# Altium PCB press.PcbDoc (part 1 of 2)
Units mm, origin at the board's own origin, x right, y up, seen from the top; angles counter-clockwise.
Board outline 85.85 x 55.75 mm, 2 copper layers (Top Layer, Bottom Layer); 179 components, 131 nets, 581 pads, 286 vias.
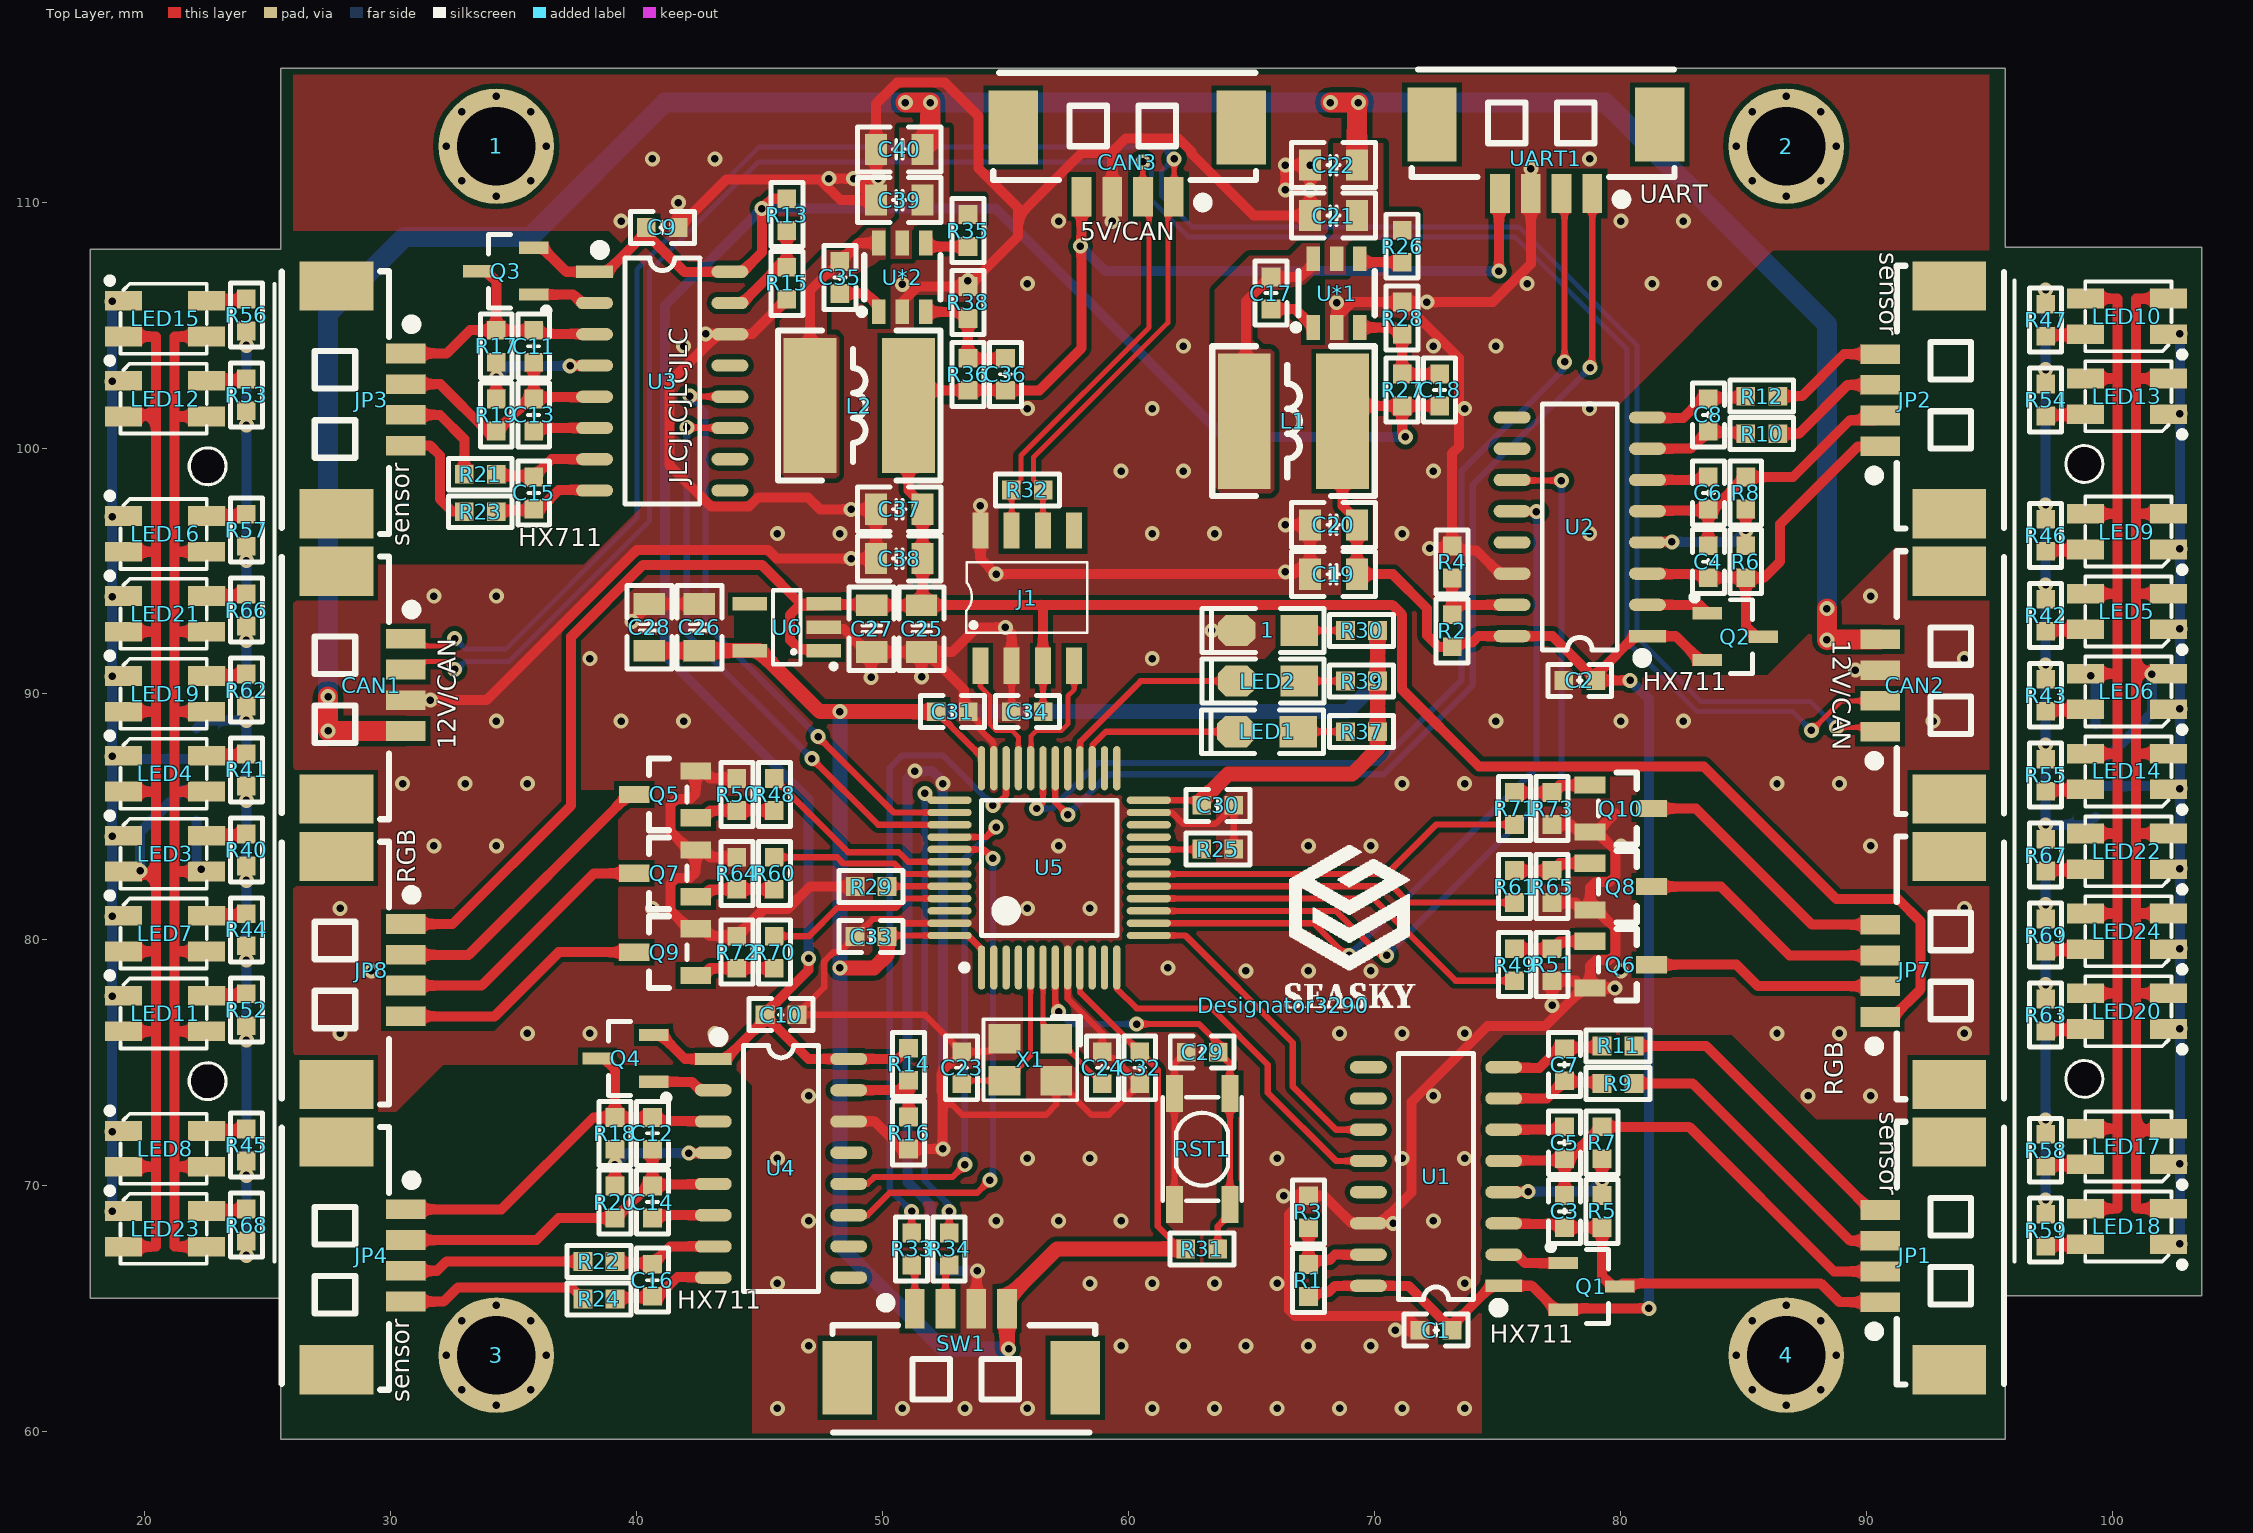
[diagram p0: Top Layer view]
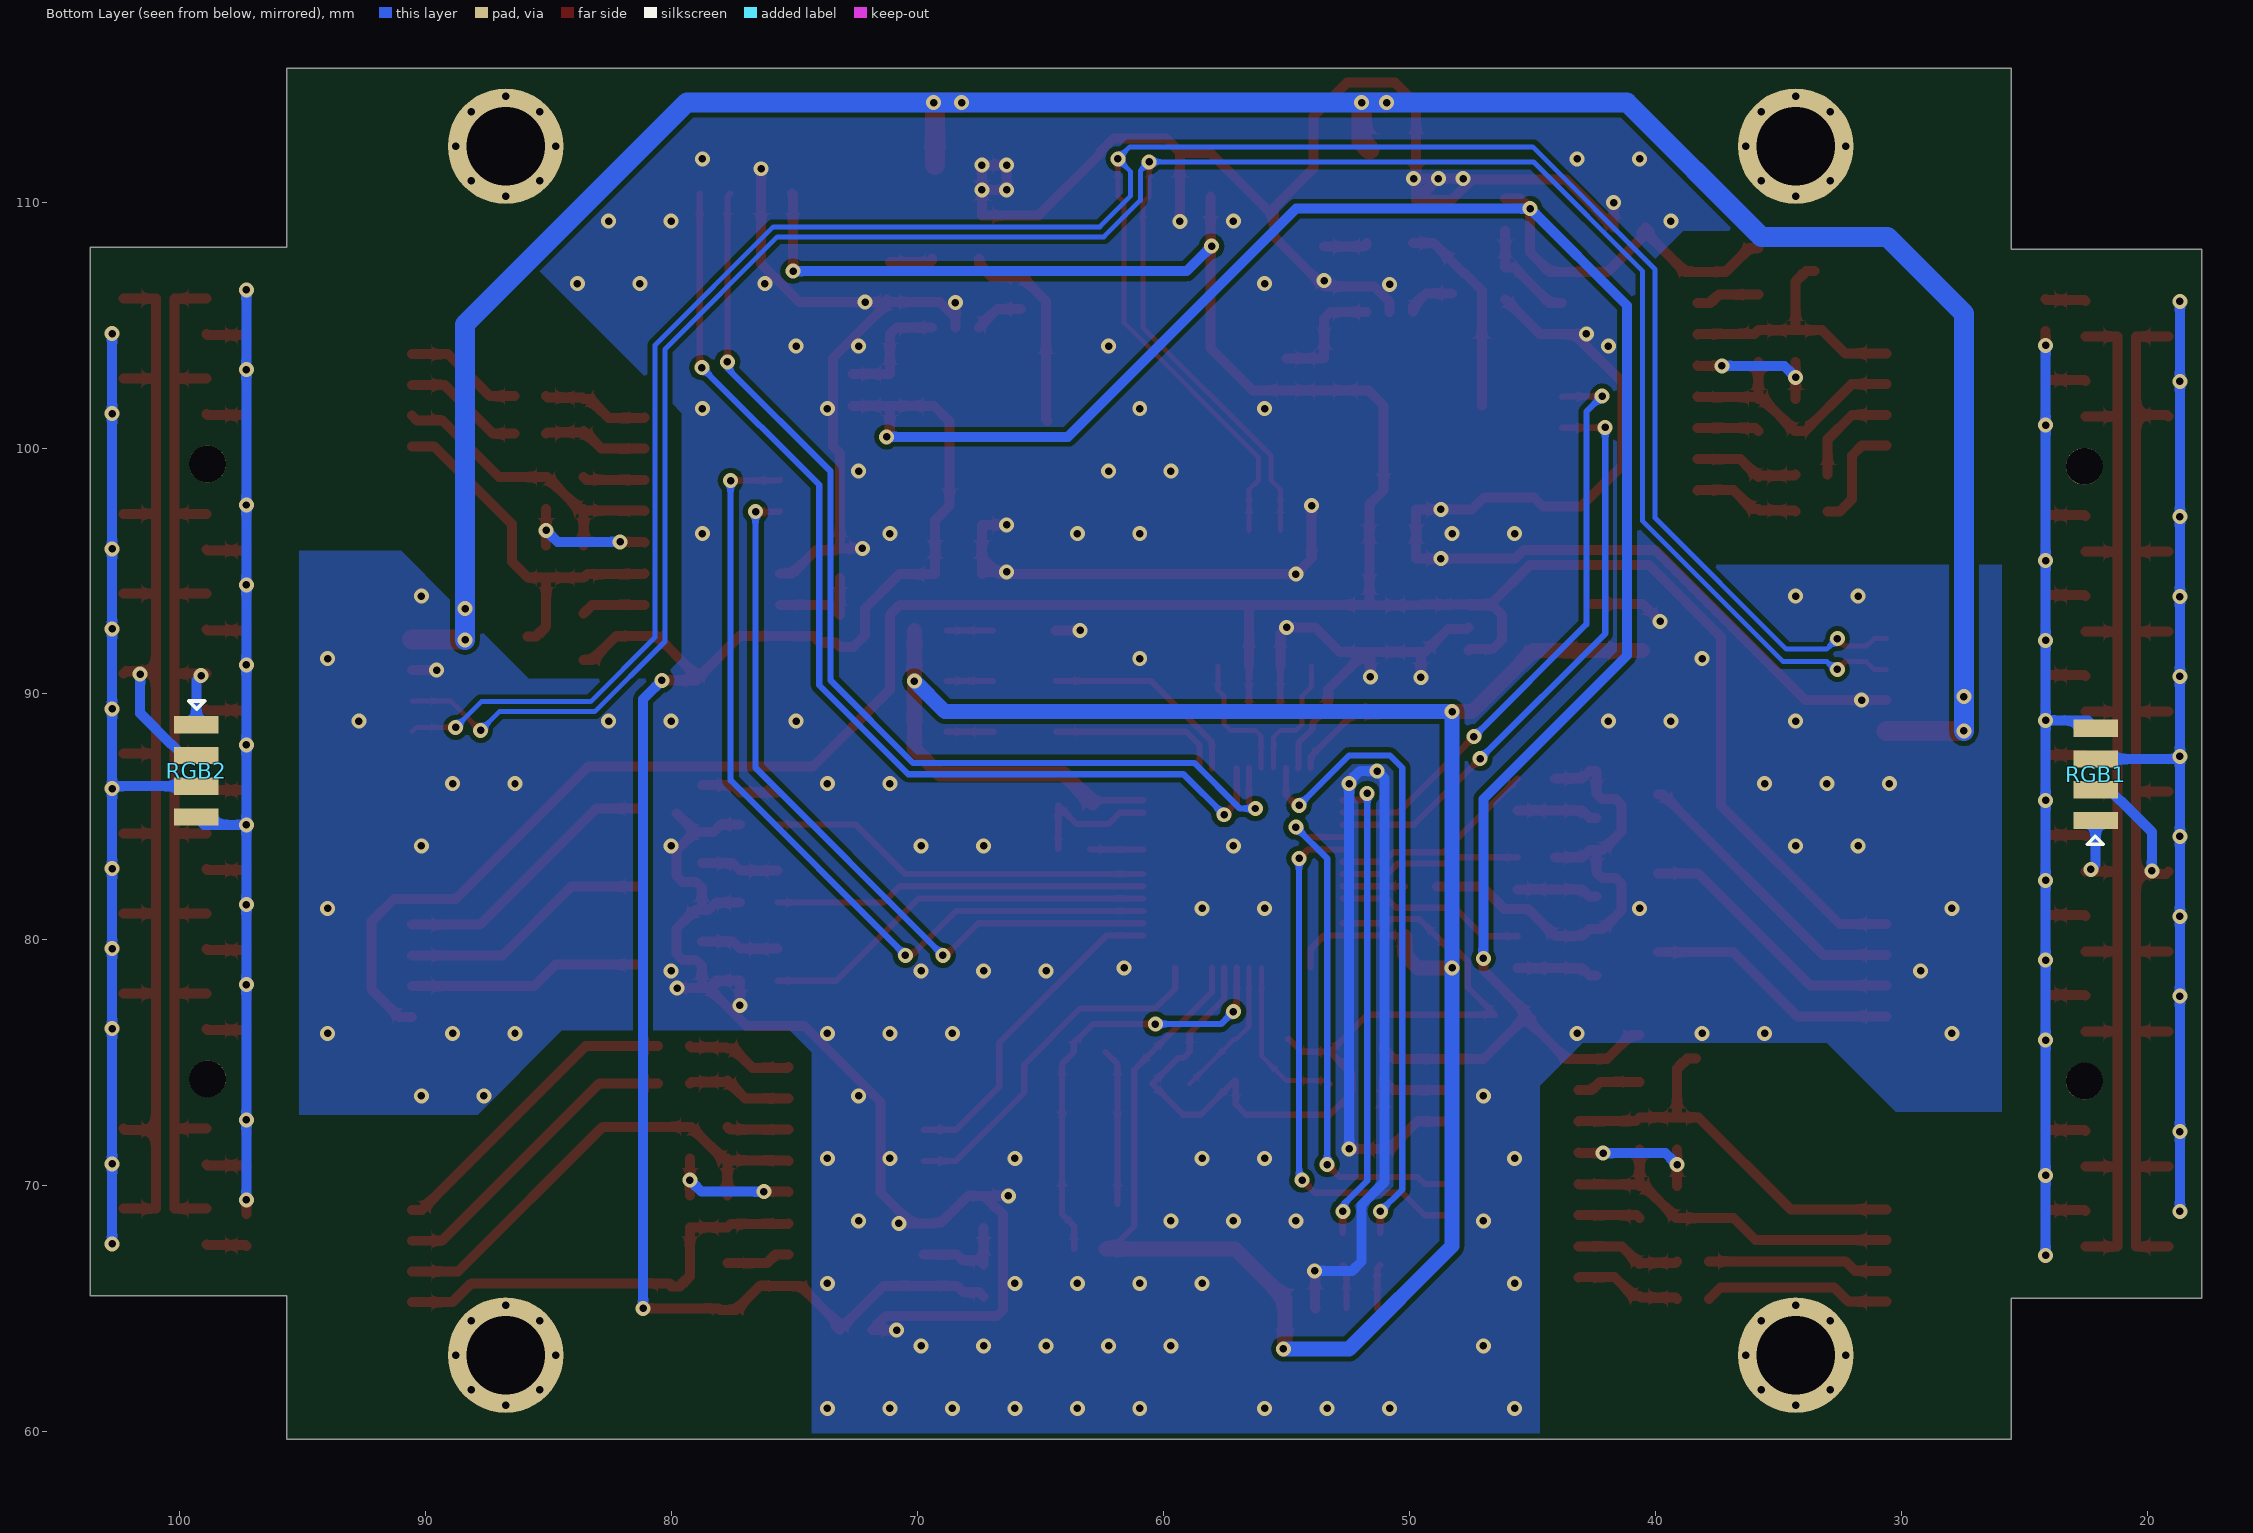
[diagram p1: Bottom Layer view, seen from below]
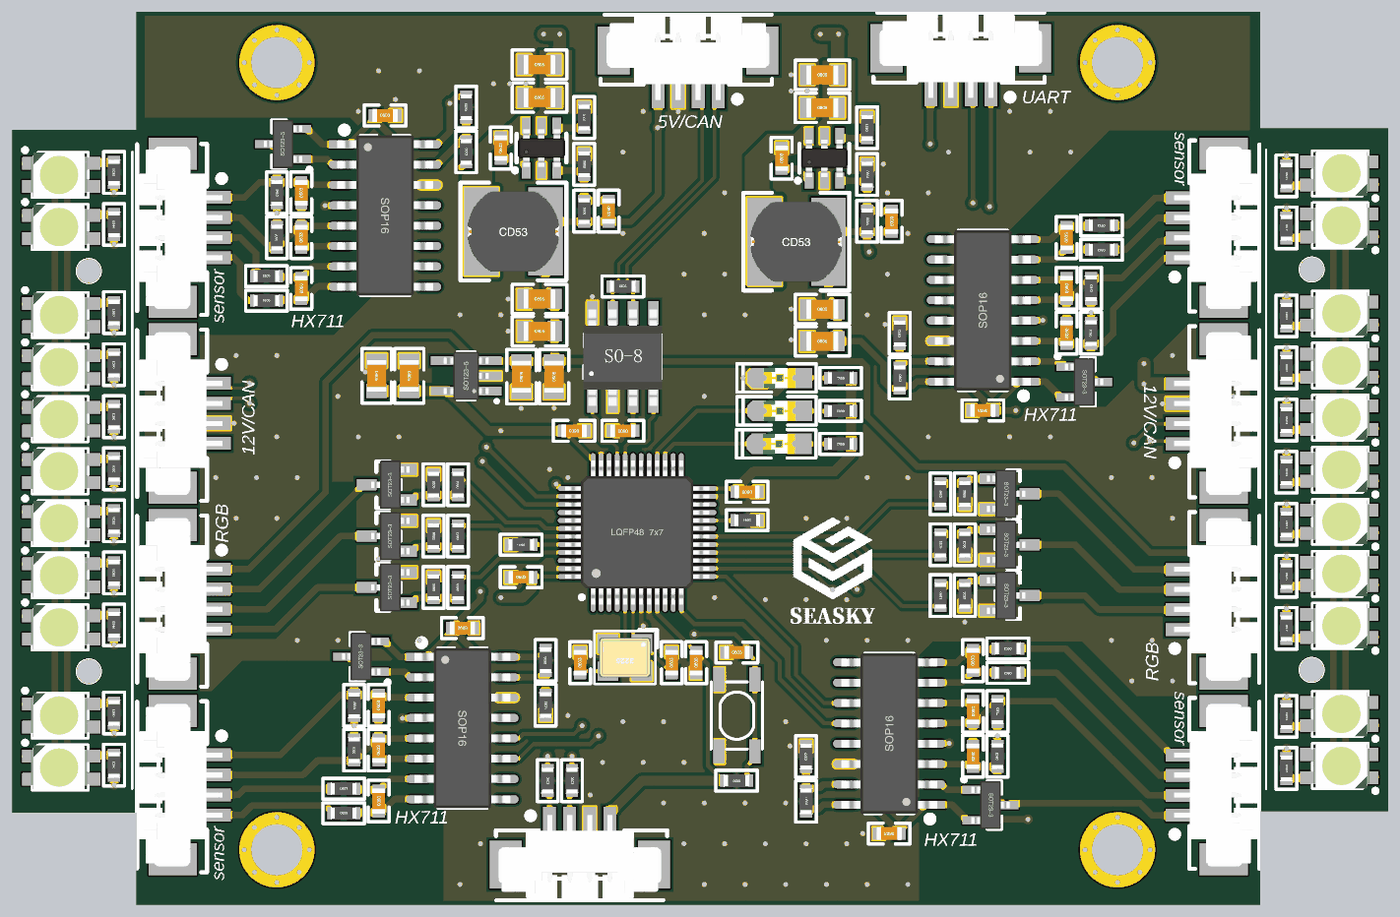
[diagram p3: 3D render of the assembled board from above, using the file's embedded part models]

## Layer stack, top to bottom
Top Solder: solder mask 0.0102, Solder Resist, Dk 3.5
Top Layer: signal copper 0.0356
Dielectric 1: dielectric 0.32, FR-4, Dk 4.8
Bottom Layer: signal copper 0.0356
Bottom Solder: solder mask 0.0102, Solder Resist, Dk 3.5

## Board outline
17.78,65.438 25.527,65.438 25.527,59.69 95.631,59.69 95.631,65.532 96.266,65.532 97.028,65.532 102.997,65.532 103.632,65.532 103.632,108.171 95.631,108.171 95.631,115.443 25.527,115.443 25.527,108.077 17.78,108.077

## Design rules (kind name [scope] priority, off if disabled: settings)
BoardOutlineClearance [All] p1: gap=0.254 ignorepadtopadclearanceinfootprint=FALSE except(0: Arc-SplitContinuation Track-SplitContinuation SMDPad-SplitContinuation THPad-SplitContinuation Via-SplitContinuation Fill-SplitContinuation Poly-SplitContinuation Region-SplitContinuation Text-SplitContinuation)
Clearance [All] p1: gap=0.203 ignorepadtopadclearanceinfootprint=TRUE except(0: Arc-Hole Track-Hole SMDPad-Hole THPad-Hole Via-Hole Fill-Hole Poly-Hole Region-Hole Text-Hole)
PlaneConnect [All] p1: planeconnectstyle=Direct reliefexpansion=0.508 reliefentries=4 reliefconductorwidth=0.254 reliefairgap=0.254
PolygonConnect [All] p1: connectstyle=Direct reliefconductorwidth=0.254 reliefentries=4 polygonreliefangle="90 Angle" airgapwidth=0.254
RoutingVias [All] p1: holewidth=0.711 width=1.27 viastyle="Through Hole" minholewidth=0.711 minwidth=1.27 maxholewidth=0.711 maxwidth=1.27
SolderMaskExpansion [All] p1: expansion=0.102 istentingtop=FALSE
Width [All] p1: maxlimit=25.4 minlimit=0.203 preferedwidth=0.254
29 further rules are at their usual default settings.

## Classes and differential pairs
component class RGB_LED: JP7 JP8 LED3 LED4 LED5 LED6 LED7 LED8 LED9 LED10 LED11 LED12 LED13 LED14 LED15 LED16 LED17 LED18 LED19 LED20 LED21 LED22 LED23 LED24 Q5 Q6 Q7 Q8 Q9 Q10 R40 R41 R42 R43 R44 R45 R46 R47 R48 R49 R50 R51 R52 R53 R54 R55 R56 R57 R58 R59 R60 R61 R62 R63 R64 R65 R66 R67 R68 R69 R70 R71 R72 R73 RGB1 RGB2
component class press: 1 2 3 4 C17 C18 C19 C20 C21 C22 C23 C24 C25 C26 C27 C28 C29 C30 C31 C32 C33 C34 C35 C36 C37 C38 C39 C40 CAN1 CAN2 CAN3 J1 L1 L2 LED1 LED2 R25 R26 R27 R28 R29 R30 R31 R32 R33 R34 R35 R36 R37 R38 R39 RST1 SW1 U5 U6 U*1 U*2 UART1 X1
component class HX711: C1 C2 C3 C4 C5 C6 C7 C8 C9 C10 C11 C12 C13 C14 C15 C16 JP1 JP2 JP3 JP4 Q1 Q2 Q3 Q4 R1 R2 R3 R4 R5 R6 R7 R8 R9 R10 R11 R12 R13 R14 R15 R16 R17 R18 R19 R20 R21 R22 R23 R24 U1 U2 U3 U4

## Components (designator, comment, footprint, x,y, rotation, side; value= is the part's Value field where it differs from the comment)
1 "PAD3.2" PAD3.2 34.29,112.268 r90 top locked
1 "3V3" "LED 0805R" 65.659,92.583 r180 top locked
2 "PAD3.2" PAD3.2 86.741,112.268 r90 top locked
3 "PAD3.2" PAD3.2 34.29,63.119 r90 top locked
4 "PAD3.2" PAD3.2 86.741,63.119 r90 top locked
C1 "10uF" "C 0603_L" 72.498,64.135 r180 top locked
C2 "10uF" "C 0603_L" 78.34,90.551 r180 top locked
C3 "10uF" "C 0603_L" 77.724,68.961 r270 top locked
C4 "10uF" "C 0603_L" 83.566,95.377 r270 top locked
C5 "0.1uF" "C 0603_L" 77.724,71.755 r270 top locked
C6 "0.1uF" "C 0603_L" 83.566,98.171 r270 top locked
C7 "0.1uF" "C 0603_L" 77.724,74.93 r90 top locked
C8 "0.1uF" "C 0603_L" 83.566,101.346 r90 top locked
C9 "10uF" "C 0603_L" 41.04,108.966 r0 top locked
C10 "10uF" "C 0603_L" 45.866,76.962 r0 top locked
C11 "10uF" "C 0603_L" 35.814,104.14 r90 top locked
C12 "10uF" "C 0603_L" 40.64,72.136 r90 top locked
C13 "0.1uF" "C 0603_L" 35.814,101.346 r90 top locked
C14 "0.1uF" "C 0603_L" 40.64,69.342 r90 top locked
C15 "0.1uF" "C 0603_L" 35.814,98.171 r270 top locked
C16 "0.1uF" "C 0603_L" 40.64,66.167 r270 top locked
C17 "0.1uF" "C 0603_L" 65.786,106.299 r90 top locked
C18 "22pF" "C 0603_L" 72.644,102.362 r270 top locked
C19 "47uF" "C 0805_L" 68.328,94.869 r0 top locked
C20 "0.1uF" "C 0805_L" 68.328,96.875 r0 top locked
C21 "0.1uF" "C 0805_L" 68.328,109.448 r0 top locked
C22 "47uF" "C 0805_L" 68.328,111.506 r0 top locked
C23 "22pF" "C 0603_L" 53.213,74.803 r90 top locked
C24 "22pF" "C 0603_L" 58.928,74.803 r90 top locked
C25 "0.1uF" "C 0805_L" 51.584,92.657 r90 top locked
C26 "0.1uF" "C 0805_L" 42.545,92.71 r270 top locked
C27 "47uF" "C 0805_L" 49.552,92.657 r90 top locked
C28 "47uF" "C 0805_L" 40.513,92.71 r270 top locked
C29 "104" "C 0603_L" 62.992,75.438 r0 top locked
C30 "104" "C 0603_L" 63.627,85.471 r180 top locked
C31 "104" "C 0603_L" 52.832,89.281 r180 top locked
C32 "104" "C 0603_L" 60.452,74.803 r90 top locked
C33 "104" "C 0603_L" 49.53,80.137 r0 top locked
C34 "0.1uF" "C 0603_L" 55.88,89.281 r180 top locked
C35 "0.1uF" "C 0603_L" 48.26,106.934 r90 top
C36 "22pF" "C 0603_L" 54.991,102.997 r270 top locked
C37 "47uF" "C 0805_L" 50.675,97.51 r0 top locked
C38 "0.1uF" "C 0805_L" 50.675,95.504 r0 top locked
C39 "0.1uF" "C 0805_L" 50.675,110.083 r0 top locked
C40 "47uF" "C 0805_L" 50.675,112.141 r0 top locked
CAN1 "HDR-1X4" "MX 1.25-WS-4P" 27.796,90.358 r270 top locked
CAN2 "HDR-1X4" "MX 1.25-WS-4P" 93.362,90.358 r90 top locked
CAN3 "HDR-1X4" "MX 1.25-WS-4P" 59.944,113.03 r180 top locked
Designator3290 "Comment" SEASKY3 66.294,77.343 r0 top
J1 "TJA1050" SOIC-8_150mil 53.975,91.147 r90 top locked
JP1 "HDR-1X4" "MX 1.25-WS-4P" 93.362,67.159 r90 top locked
JP2 "HDR-1X4" "MX 1.25-WS-4P" 93.362,101.957 r90 top locked
JP3 "HDR-1X4" "MX 1.25-WS-4P" 27.796,101.957 r270 top locked
JP4 "HDR-1X4" "MX 1.25-WS-4P" 27.796,67.159 r270 top locked
JP7 "HDR-1X4" "MX 1.25-WS-4P" 93.362,78.759 r90 top locked
JP8 "HDR-1X4" "MX 1.25-WS-4P" 27.796,78.759 r270 top locked
L1 "4.7uH" CD53 66.701,101.092 r0 top locked
L2 "4.7uH" CD53 49.048,101.727 r0 top locked
LED1 "蓝色" "LED 0805B" 65.629,88.468 r180 top locked
LED2 "蓝色" "LED 0805B" 65.659,90.526 r180 top locked
LED3 "RGB-3528" "LED 3528-4Pin" 20.828,83.508 r0 top locked
LED4 "RGB-3528" "LED 3528-4Pin" 20.828,86.758 r0 top locked
LED5 "RGB-3528" "LED 3528-4Pin" 100.584,93.351 r180 top locked
LED6 "RGB-3528" "LED 3528-4Pin" 100.584,90.101 r180 top locked
LED7 "RGB-3528" "LED 3528-4Pin" 20.828,80.258 r0 top locked
LED8 "RGB-3528" "LED 3528-4Pin" 20.828,71.508 r0 top locked
LED9 "RGB-3528" "LED 3528-4Pin" 100.584,96.601 r180 top locked
LED10 "RGB-3528" "LED 3528-4Pin" 100.584,105.351 r180 top locked
LED11 "RGB-3528" "LED 3528-4Pin" 20.828,77.008 r0 top locked
LED12 "RGB-3528" "LED 3528-4Pin" 20.828,102.008 r0 top locked
LED13 "RGB-3528" "LED 3528-4Pin" 100.584,102.101 r180 top locked
LED14 "RGB-3528" "LED 3528-4Pin" 100.584,86.851 r180 top locked
LED15 "RGB-3528" "LED 3528-4Pin" 20.828,105.258 r0 top locked
LED16 "RGB-3528" "LED 3528-4Pin" 20.828,96.508 r0 top locked
LED17 "RGB-3528" "LED 3528-4Pin" 100.584,71.601 r180 top locked
LED18 "RGB-3528" "LED 3528-4Pin" 100.584,68.351 r180 top locked
LED19 "RGB-3528" "LED 3528-4Pin" 20.828,90.008 r0 top locked
LED20 "RGB-3528" "LED 3528-4Pin" 100.584,77.101 r180 top locked
LED21 "RGB-3528" "LED 3528-4Pin" 20.828,93.258 r0 top locked
LED22 "RGB-3528" "LED 3528-4Pin" 100.584,83.601 r180 top locked
LED23 "RGB-3528" "LED 3528-4Pin" 20.828,68.258 r0 top locked
LED24 "RGB-3528" "LED 3528-4Pin" 100.584,80.351 r180 top locked
Q1 "SS8550" SOT23-3N 78.817,65.913 r270 top
Q2 "SS8550" SOT23-3N 84.659,92.329 r270 top
Q3 "SS8550" SOT23-3N 34.671,107.188 r90 top
Q4 "SS8550" SOT23-3N 39.547,75.184 r90 top
Q5 "AO3400A_NMOS" SOT-23-3_L2.9-W1.3-P1.90-LS2.4-BR 41.148,85.915 r0 top locked
Q6 "AO3400A_NMOS" SOT-23-3_L2.9-W1.3-P1.90-LS2.4-BR 80.01,78.994 r180 top locked
Q7 "AO3400A_NMOS" SOT-23-3_L2.9-W1.3-P1.90-LS2.4-BR 41.148,82.708 r0 top locked
Q8 "AO3400A_NMOS" SOT-23-3_L2.9-W1.3-P1.90-LS2.4-BR 80.01,82.169 r180 top locked
Q9 "AO3400A_NMOS" SOT-23-3_L2.9-W1.3-P1.90-LS2.4-BR 41.148,79.502 r0 top locked
Q10 "AO3400A_NMOS" SOT-23-3_L2.9-W1.3-P1.90-LS2.4-BR 80.01,85.344 r180 top locked
R1 "0R" "R 0603_L" 67.31,66.152 r270 top locked
R2 "0R" "R 0603_L" 73.152,92.568 r270 top locked
R3 "0R" "R 0603_L" 67.31,68.946 r90 top locked
R4 "0R" "R 0603_L" 73.152,95.362 r90 top locked
R5 "10K" "R 0603_L" 79.248,68.961 r90 top locked
R6 "10K" "R 0603_L" 85.09,95.377 r90 top locked
R7 "10K" "R 0603_L" 79.248,71.755 r270 top locked
R8 "10K" "R 0603_L" 85.09,98.171 r270 top locked
R9 "100R" "R 0603_L" 79.898,74.168 r180 top locked
R10 "100R" "R 0603_L" 85.74,100.584 r180 top locked
R11 "100R" "R 0603_L" 79.898,75.692 r180 top locked
R12 "100R" "R 0603_L" 85.74,102.108 r180 top locked
R13 "0R" "R 0603_L" 46.101,109.489 r90 top locked
R14 "0R" "R 0603_L" 51.054,74.945 r90 top locked
R15 "0R" "R 0603_L" 46.101,106.695 r270 top locked
R16 "0R" "R 0603_L" 51.054,72.151 r270 top locked
R17 "10K" "R 0603_L" 34.29,104.14 r270 top locked
R18 "10K" "R 0603_L" 39.116,72.136 r270 top locked
R19 "10K" "R 0603_L" 34.29,101.346 r90 top locked